# Altium PCB Minion_1_SiC780A_Rev01.PcbDoc (part 3 of 6)
Units mil, origin at the board's own origin, x right, y up, seen from the top; angles counter-clockwise.
Board outline 3937.01 x 3937.01 mil, 4 copper layers (L1, L2, L3, L4), stack 62.087 mil thick; 410 components, 107 nets, 1950 pads, 1997 vias.
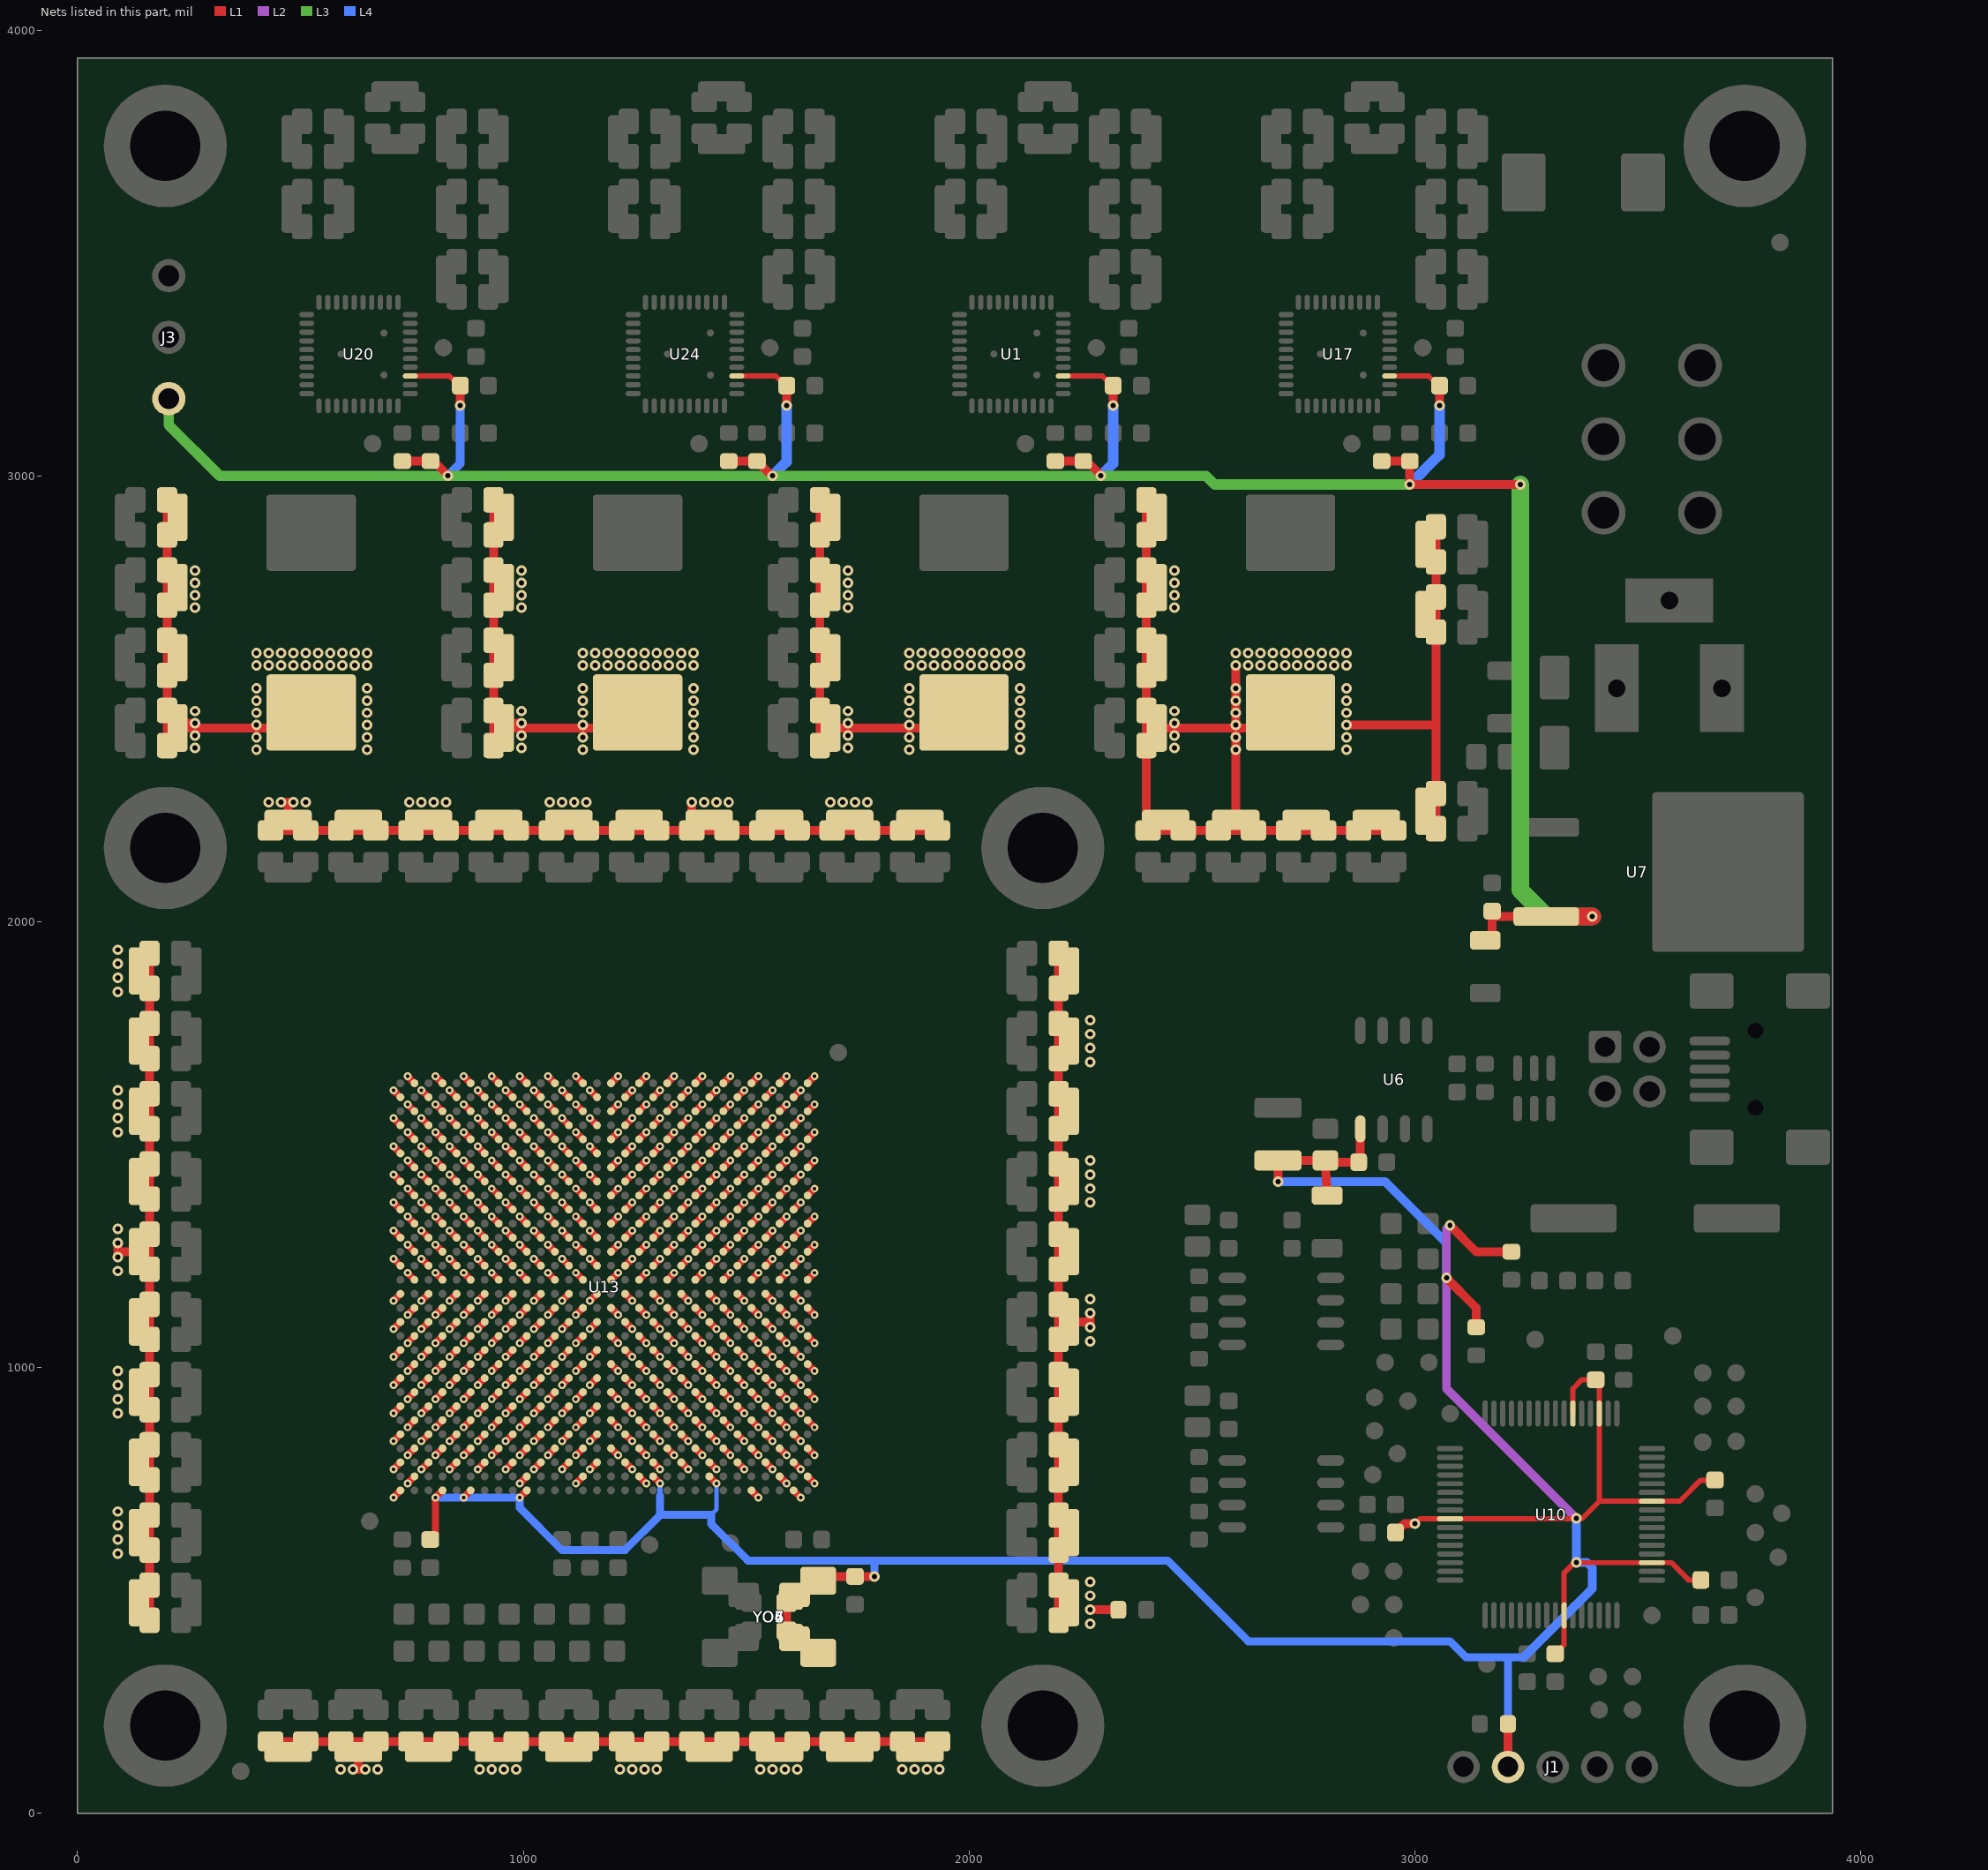
[diagram p5: the nets of this part, all layers, seen from the top]

## Via types
v1: diameter 23.62/23.62/23.62/23.62 (per signal layer), hole 11.81, L1 to L4, 1110 vias
v2: diameter 17.72/17.72/17.72/17.72 (per signal layer), hole 7.87, L1 to L4, 887 vias

## Nets (pads, with @x,y where several pads share a name; then routed paths per layer and width w, separated by ;. In a path a pad name is that pad's centre, name@x,y a point inside that pad or via, vN(x,y) a via of type N, cw(c..) or ccw(c..) an arc to the next point about the centre after c; other vN are vias at no path point) (continued)
1V: C4.2 C18.2 C19.2 C33.1 C34.2 C35.2 C36.2 C37.1 C38.1 C39.1 C40.1 C44.2 C45.2 C46.2 C48.2 C53.2 C55.2 C56.2 C57.2 C59.2 C60.2 C61.2 C62.2 C63.2 C64.2 C65.1 C66.1 C67.1 C72.2 C73.2 C74.2 C75.2 C76.2 C77.2 C78.2 C79.2 C80.2 C81.2 C82.2 C83.2 C84.2 C86.2 C87.2 C88.2 C90.2 C91.2 C94.2 C95.2 C103.2 C104.2 C105.2 C106.2 C107.2 C128.1 C129.2 C130.1 C131.1 C132.2 C135.2 C136.2 C137.2 C138.1 C139.1 C140.2 C141.1 C142.2 C143.2 C144.2 C145.2 C146.2 C147.2 C148.2 C149.2 C150.2 C151.2 C152.2 C153.2 C154.2 C155.2 C156.2 C157.2 C158.2 C159.2 C160.2 C161.2 C162.2 C163.2 C164.2 C165.2 C166.2 C167.2 C168.2 C169.2 C170.1 C171.2 C172.1 C173.1 C174.2 C175.1 C176.1 C177.2 C178.2 C179.2 C180.2 C181.2 C182.2 C183.2 C184.2 C185.2 C186.2 C187.1 C188.2 C189.2 C190.2 C191.2 C192.2 C193.2 C194.2 C195.2 C196.2 C197.1 C198.2 C199.1 C200.1 C201.2 C202.1 C203.1 C204.2 C205.1 C206.2 C207.2 C208.2 C209.2 C210.2 C211.2 C212.2 C213.2 C214.2 C215.2 C216.2 C217.2 C218.2 C219.2 C220.2 C221.2 C222.2 C223.2 C224.2 C225.2 C260.2 C261.2 C262.2 C263.1 C264.1 C265.1 C266.1 C267.2 C268.1 C269.1 C270.2 C271.1 C272.1 C273.2 C274.1 C275.1 C276.2 C331.1 C332.1 C333.1 C334.1 C375.2 C376.2 C377.2 C381.2 C382.2 C397.2 C398.2 C399.2 C400.2 C401.2 C652.1 C653.2 C654.1 C655.1 C656.2 C657.1 C658.1 C659.2 C660.1 L3.2 L7.2 L10.2 L14.2 R6.2 U13.A2 U13.A4 U13.A6 U13.A8 U13.A10 U13.A12 U13.A14 U13.A16 U13.A18 U13.A20 U13.A22 U13.A24 U13.A26 U13.A28 U13.A30 U13.AA2 U13.AA4 U13.AA6 U13.AA8 U13.AA10 U13.AA12 U13.AA14 U13.AA16 U13.AA18 U13.AA20 U13.AA22 U13.AA24 U13.AA26 U13.AA28 U13.AA30 U13.AB1 U13.AB3 U13.AB5 U13.AB7 U13.AB9 U13.AB11 U13.AB13 U13.AB15 U13.AB17 U13.AB19 U13.AB21 U13.AB23 U13.AB25 U13.AB27 U13.AB29 U13.AC2 U13.AC4 U13.AC6 U13.AC8 U13.AC10 U13.AC12 U13.AC14 U13.AC16 U13.AC18 U13.AC20 U13.AC22 U13.AC24 U13.AC26 U13.AC28 U13.AC30 U13.AD1 U13.AD3 U13.AD5 U13.AD7 U13.AD9 U13.AD11 U13.AD13 U13.AD15 U13.AD17 U13.AD19 U13.AD21 U13.AD23 U13.AD25 U13.AD27 U13.AD29 U13.AE2 U13.AE4 U13.AE6 U13.AE8 U13.AE10 U13.AE12 U13.AE14 U13.AE16 U13.AE18 U13.AE20 U13.AE22 U13.AE24 U13.AE26 U13.AE28 U13.AE30 U13.AF1 U13.AF3 U13.AF5 U13.AF7 U13.AF9 U13.AF11 U13.AF13 U13.AF15 U13.AF17 U13.AF19 U13.AF21 U13.AF23 U13.AF25 U13.AF27 U13.AF29 U13.AG2 U13.AG4 U13.AG6 U13.AG8 U13.AG10 U13.AG12 U13.AG14 U13.AG16 U13.AG18 U13.AG20 U13.AG22 U13.AG24 U13.AG26 U13.AG28 U13.AG30 U13.AH1 U13.AH3 U13.AH5 U13.AH7 U13.AH9 U13.AH11 U13.AH13 U13.AH15 U13.AH17 U13.AH19 U13.AH21 U13.AH23 U13.AH25 U13.AH27 U13.AH29 U13.AJ2 U13.AJ10 U13.AJ14 U13.AJ18 U13.AJ28 U13.AJ30 U13.AK1 U13.AK26 U13.AK29 U13.B1 U13.B3 U13.B5 U13.B7 U13.B9 U13.B11 U13.B13 U13.B15 U13.B17 U13.B19 U13.B21 U13.B23 U13.B25 U13.B27 U13.B29 U13.C2 U13.C4 U13.C6 U13.C8 U13.C10 U13.C12 U13.C14 U13.C16 U13.C18 U13.C20 U13.C22 U13.C24 U13.C26 U13.C28 U13.C30 U13.D1 U13.D3 U13.D5 U13.D7 U13.D9 U13.D11 U13.D13 U13.D15 U13.D17 U13.D19 U13.D21 U13.D23 U13.D25 U13.D27 U13.D29 U13.E2 U13.E4 U13.E6 U13.E8 U13.E10 U13.E12 U13.E14 U13.E16 U13.E18 U13.E20 U13.E22 U13.E24 U13.E26 U13.E28 U13.E30 U13.F1 U13.F3 U13.F5 U13.F7 U13.F9 U13.F11 U13.F13 U13.F15 U13.F17 U13.F19 U13.F21 U13.F23 U13.F25 U13.F27 U13.F29 U13.G2 U13.G4 U13.G6 U13.G8 U13.G10 U13.G12 U13.G14 U13.G16 U13.G18 U13.G20 U13.G22 U13.G24 U13.G26 U13.G28 U13.G30 U13.H1 U13.H3 U13.H5 U13.H7 U13.H9 U13.H11 U13.H13 U13.H15 U13.H17 U13.H19 U13.H21 U13.H23 U13.H25 U13.H27 U13.H29 U13.J2 U13.J4 U13.J6 U13.J8 U13.J10 U13.J12 U13.J14 U13.J16 U13.J18 U13.J20 U13.J22 U13.J24 U13.J26 U13.J28 U13.J30 U13.K1 U13.K3 U13.K5 U13.K7 U13.K9 U13.K11 U13.K13 U13.K15 U13.K17 U13.K19 U13.K21 U13.K23 U13.K25 U13.K27 U13.K29 U13.L2 U13.L4 U13.L6 U13.L8 U13.L10 U13.L12 U13.L14 U13.L16 U13.L18 U13.L20 U13.L22 U13.L24 U13.L26 U13.L28 U13.L30 U13.M1 U13.M3 U13.M5 U13.M7 U13.M9 U13.M11 U13.M13 U13.M15 U13.M17 U13.M19 U13.M21 U13.M23 U13.M25 U13.M27 U13.M29 U13.N2 U13.N4 U13.N6 U13.N8 U13.N10 U13.N12 U13.N14 U13.N16 U13.N18 U13.N20 U13.N22 U13.N24 U13.N26 U13.N28 U13.N30 U13.P1 U13.P3 U13.P5 U13.P7 U13.P9 U13.P11 U13.P13 U13.P15 U13.P17 U13.P19 U13.P21 U13.P23 U13.P25 U13.P27 U13.P29 U13.R2 U13.R4 U13.R6 U13.R8 U13.R10 U13.R12 U13.R14 U13.R16 U13.R18 U13.R20 U13.R22 U13.R24 U13.R26 U13.R28 U13.R30 U13.T1 U13.T3 U13.T5 U13.T7 U13.T9 U13.T11 U13.T13 U13.T15 U13.T17 U13.T19 U13.T21 U13.T23 U13.T25 U13.T27 U13.T29 U13.U2 U13.U4 U13.U6 U13.U8 U13.U10 U13.U12 U13.U14 U13.U16 U13.U18 U13.U20 U13.U22 U13.U24 U13.U26 U13.U28 U13.U30 U13.V1 U13.V3 U13.V5 U13.V7 U13.V9 U13.V11 U13.V13 U13.V15 U13.V17 U13.V19 U13.V21 U13.V23 U13.V25 U13.V27 U13.V29 U13.W2 U13.W4 U13.W6 U13.W8 U13.W10 U13.W12 U13.W14 U13.W16 U13.W18 U13.W20 U13.W22 U13.W24 U13.W26 U13.W28 U13.W30 U13.Y1 U13.Y3 U13.Y5 U13.Y7 U13.Y9 U13.Y11 U13.Y13 U13.Y15 U13.Y17 U13.Y19 U13.Y21 U13.Y23 U13.Y25 U13.Y27 U13.Y29 | length 23054.7
  L1 w15.75: v2(708.66,708.66) U13.AK1@724.41,724.41 ; v2(708.66,771.65) U13.AH1@724.41,787.4 ; v2(708.66,834.65) U13.AF1@724.41,850.39 ; v2(708.66,897.64) U13.AD1@724.41,913.39 ; v2(708.66,960.63) U13.AB1@724.41,976.38 ; v2(708.66,1023.62) U13.Y1@724.41,1039.37 ; v2(708.66,1086.61) U13.V1@724.41,1102.36 ; v2(708.66,1149.61) U13.T1@724.41,1165.35 ; v2(708.66,1244.09) U13.P1@724.41,1228.35 ; v2(708.66,1307.09) U13.M1@724.41,1291.34 ; v2(708.66,1370.08) U13.K1@724.41,1354.33 ; v2(708.66,1433.07) U13.H1@724.41,1417.32 ; v2(708.66,1496.06) U13.F1@724.41,1480.31 ; v2(708.66,1559.06) U13.D1@724.41,1543.31 ; v2(708.66,1622.05) U13.B1@724.41,1606.3 ; v2(740.16,740.16) U13.AJ2@755.91,755.91 ; v2(740.16,803.15) U13.AG2@755.91,818.9 ; v2(740.16,866.14) U13.AE2@755.91,881.89 ; v2(740.16,929.13) U13.AC2@755.91,944.88 ; v2(740.16,992.13) U13.AA2@755.91,1007.87 ; v2(740.16,1055.12) U13.W2@755.91,1070.87 ; v2(740.16,1118.11) U13.U2@755.91,1133.86 ; v2(740.16,1212.6) U13.R2@755.91,1196.85 ; v2(740.16,1275.59) U13.N2@755.91,1259.84 ; v2(740.16,1338.58) U13.L2@755.91,1322.83 ; v2(740.16,1401.57) U13.J2@755.91,1385.83 ; v2(740.16,1464.57) U13.G2@755.91,1448.82 ; v2(740.16,1527.56) U13.E2@755.91,1511.81 ; v2(740.16,1590.55) U13.C2@755.91,1574.8 ; v2(740.16,1653.54) U13.A2@755.91,1637.8 ; v2(771.65,771.65) U13.AH3@787.4,787.4 ; v2(771.65,834.65) U13.AF3@787.4,850.39 ; v2(771.65,897.64) U13.AD3@787.4,913.39 ; v2(771.65,960.63) U13.AB3@787.4,976.38 ; v2(771.65,1023.62) U13.Y3@787.4,1039.37 ; v2(771.65,1086.61) U13.V3@787.4,1102.36 ; v2(771.65,1149.61) U13.T3@787.4,1165.35 ; v2(771.65,1244.09) U13.P3@787.4,1228.35 ; v2(771.65,1307.09) U13.M3@787.4,1291.34 ; v2(771.65,1370.08) U13.K3@787.4,1354.33 ; v2(771.65,1433.07) U13.H3@787.4,1417.32 ; v2(771.65,1496.06) U13.F3@787.4,1480.31 ; v2(771.65,1559.06) U13.D3@787.4,1543.31 ; v2(771.65,1622.05) U13.B3@787.4,1606.3 ; v2(803.15,803.15) U13.AG4@818.9,818.9 ; v2(803.15,866.14) U13.AE4@818.9,881.89 ; v2(803.15,929.13) U13.AC4@818.9,944.88 ; v2(803.15,992.13) U13.AA4@818.9,1007.87 ; v2(803.15,1055.12) U13.W4@818.9,1070.87 ; v2(803.15,1118.11) U13.U4@818.9,1133.86 ; v2(803.15,1212.6) U13.R4@818.9,1196.85 ; v2(803.15,1275.59) U13.N4@818.9,1259.84 ; v2(803.15,1338.58) U13.L4@818.9,1322.83 ; v2(803.15,1401.57) U13.J4@818.9,1385.83 ; v2(803.15,1464.57) U13.G4@818.9,1448.82 ; v2(803.15,1527.56) U13.E4@818.9,1511.81 ; v2(803.15,1590.55) U13.C4@818.9,1574.8 ; v2(803.15,1653.54) U13.A4@818.9,1637.8 ; v2(834.65,771.65) U13.AH5@850.39,787.4 ; v2(834.65,834.65) U13.AF5@850.39,850.39 ; v2(834.65,897.64) U13.AD5@850.39,913.39 ; v2(834.65,960.63) U13.AB5@850.39,976.38 ; v2(834.65,1023.62) U13.Y5@850.39,1039.37 ; v2(834.65,1086.61) U13.V5@850.39,1102.36 ; v2(834.65,1149.61) U13.T5@850.39,1165.35 ; v2(834.65,1244.09) U13.P5@850.39,1228.35 ; v2(834.65,1307.09) U13.M5@850.39,1291.34 ; v2(834.65,1370.08) U13.K5@850.39,1354.33 ; v2(834.65,1433.07) U13.H5@850.39,1417.32 ; v2(834.65,1496.06) U13.F5@850.39,1480.31 ; v2(834.65,1559.06) U13.D5@850.39,1543.31 ; v2(834.65,1622.05) U13.B5@850.39,1606.3 ; v2(866.14,803.15) U13.AG6@881.89,818.9 ; v2(866.14,866.14) U13.AE6@881.89,881.89 ; v2(866.14,929.13) U13.AC6@881.89,944.88 ; v2(866.14,992.13) U13.AA6@881.89,1007.87 ; v2(866.14,1055.12) U13.W6@881.89,1070.87 ; v2(866.14,1118.11) U13.U6@881.89,1133.86 ; v2(866.14,1212.6) U13.R6@881.89,1196.85 ; v2(866.14,1275.59) U13.N6@881.89,1259.84 ; v2(866.14,1338.58) U13.L6@881.89,1322.83 ; v2(866.14,1401.57) U13.J6@881.89,1385.83 ; v2(866.14,1464.57) U13.G6@881.89,1448.82 ; v2(866.14,1527.56) U13.E6@881.89,1511.81 ; v2(866.14,1590.55) U13.C6@881.89,1574.8 ; v2(866.14,1653.54) U13.A6@881.89,1637.8 ; v2(897.64,771.65) U13.AH7@913.39,787.4 ; v2(897.64,834.65) U13.AF7@913.39,850.39 ; v2(897.64,897.64) U13.AD7@913.39,913.39 ; v2(897.64,960.63) U13.AB7@913.39,976.38 ; v2(897.64,1023.62) U13.Y7@913.39,1039.37 ; v2(897.64,1086.61) U13.V7@913.39,1102.36 ; v2(897.64,1149.61) U13.T7@913.39,1165.35 ; v2(897.64,1244.09) U13.P7@913.39,1228.35 ; v2(897.64,1307.09) U13.M7@913.39,1291.34 ; v2(897.64,1370.08) U13.K7@913.39,1354.33 ; v2(897.64,1433.07) U13.H7@913.39,1417.32 ; v2(897.64,1496.06) U13.F7@913.39,1480.31 ; v2(897.64,1559.06) U13.D7@913.39,1543.31 ; v2(897.64,1622.05) U13.B7@913.39,1606.3 ; v2(929.13,803.15) U13.AG8@944.88,818.9 ; v2(929.13,866.14) U13.AE8@944.88,881.89 ; v2(929.13,929.13) U13.AC8@944.88,944.88 ; v2(929.13,992.13) U13.AA8@944.88,1007.87 ; v2(929.13,1055.12) U13.W8@944.88,1070.87 ; v2(929.13,1118.11) U13.U8@944.88,1133.86 ; v2(929.13,1212.6) U13.R8@944.88,1196.85 ; v2(929.13,1275.59) U13.N8@944.88,1259.84 ; v2(929.13,1338.58) U13.L8@944.88,1322.83 ; v2(929.13,1401.57) U13.J8@944.88,1385.83 ; v2(929.13,1464.57) U13.G8@944.88,1448.82 ; v2(929.13,1527.56) U13.E8@944.88,1511.81 ; v2(929.13,1590.55) U13.C8@944.88,1574.8 ; v2(929.13,1653.54) U13.A8@944.88,1637.8 ; v2(960.63,771.65) U13.AH9@976.38,787.4 ; v2(960.63,834.65) U13.AF9@976.38,850.39 ; v2(960.63,897.64) U13.AD9@976.38,913.39 ; v2(960.63,960.63) U13.AB9@976.38,976.38 ; v2(960.63,1023.62) U13.Y9@976.38,1039.37 ; v2(960.63,1086.61) U13.V9@976.38,1102.36 ; v2(960.63,1149.61) U13.T9@976.38,1165.35 ; v2(960.63,1244.09) U13.P9@976.38,1228.35 ; v2(960.63,1307.09) U13.M9@976.38,1291.34 ; v2(960.63,1370.08) U13.K9@976.38,1354.33 ; v2(960.63,1433.07) U13.H9@976.38,1417.32 ; v2(960.63,1496.06) U13.F9@976.38,1480.31 ; v2(960.63,1559.06) U13.D9@976.38,1543.31 ; v2(960.63,1622.05) U13.B9@976.38,1606.3 ; v2(992.13,740.16) U13.AJ10@1007.87,755.91 ; v2(992.13,803.15) U13.AG10@1007.87,818.9 ; v2(992.13,866.14) U13.AE10@1007.87,881.89 ; v2(992.13,929.13) U13.AC10@1007.87,944.88 ; v2(992.13,992.13) U13.AA10@1007.87,1007.87 ; v2(992.13,1055.12) U13.W10@1007.87,1070.87 ; v2(992.13,1118.11) U13.U10@1007.87,1133.86 ; v2(992.13,1212.6) U13.R10@1007.87,1196.85 ; v2(992.13,1275.59) U13.N10@1007.87,1259.84 ; v2(992.13,1338.58) U13.L10@1007.87,1322.83 ; v2(992.13,1401.57) U13.J10@1007.87,1385.83 ; v2(992.13,1464.57) U13.G10@1007.87,1448.82 ; v2(992.13,1527.56) U13.E10@1007.87,1511.81 ; v2(992.13,1590.55) U13.C10@1007.87,1574.8 ; v2(992.13,1653.54) U13.A10@1007.87,1637.8 ; v2(1023.62,771.65) U13.AH11@1039.37,787.4 ; v2(1023.62,834.65) U13.AF11@1039.37,850.39 ; v2(1023.62,897.64) U13.AD11@1039.37,913.39 ; v2(1023.62,960.63) U13.AB11@1039.37,976.38 ; v2(1023.62,1023.62) U13.Y11@1039.37,1039.37 ; v2(1023.62,1086.61) U13.V11@1039.37,1102.36 ; v2(1023.62,1149.61) U13.T11@1039.37,1165.35 ; v2(1023.62,1244.09) U13.P11@1039.37,1228.35 ; v2(1023.62,1307.09) U13.M11@1039.37,1291.34 ; v2(1023.62,1370.08) U13.K11@1039.37,1354.33 ; v2(1023.62,1433.07) U13.H11@1039.37,1417.32 ; v2(1023.62,1496.06) U13.F11@1039.37,1480.31 ; v2(1023.62,1559.06) U13.D11@1039.37,1543.31 ; v2(1023.62,1622.05) U13.B11@1039.37,1606.3 ; v2(1055.12,803.15) U13.AG12@1070.87,818.9 ; v2(1055.12,866.14) U13.AE12@1070.87,881.89 ; v2(1055.12,929.13) U13.AC12@1070.87,944.88 ; v2(1055.12,992.13) U13.AA12@1070.87,1007.87 ; v2(1055.12,1055.12) U13.W12@1070.87,1070.87 ; v2(1055.12,1118.11) U13.U12@1070.87,1133.86 ; v2(1055.12,1212.6) U13.R12@1070.87,1196.85 ; v2(1055.12,1275.59) U13.N12@1070.87,1259.84 ; v2(1055.12,1338.58) U13.L12@1070.87,1322.83 ; v2(1055.12,1401.57) U13.J12@1070.87,1385.83 ; v2(1055.12,1464.57) U13.G12@1070.87,1448.82 ; v2(1055.12,1527.56) U13.E12@1070.87,1511.81 ; v2(1055.12,1590.55) U13.C12@1070.87,1574.8 ; v2(1055.12,1653.54) U13.A12@1070.87,1637.8 ; v2(1086.61,771.65) U13.AH13@1102.36,787.4 ; v2(1086.61,834.65) U13.AF13@1102.36,850.39 ; v2(1086.61,897.64) U13.AD13@1102.36,913.39 ; v2(1086.61,960.63) U13.AB13@1102.36,976.38 ; v2(1086.61,1023.62) U13.Y13@1102.36,1039.37 ; v2(1086.61,1086.61) U13.V13@1102.36,1102.36 ; v2(1086.61,1149.61) U13.T13@1102.36,1165.35 ; v2(1086.61,1244.09) U13.P13@1102.36,1228.35 ; v2(1086.61,1307.09) U13.M13@1102.36,1291.34 ; v2(1086.61,1370.08) U13.K13@1102.36,1354.33 ; v2(1086.61,1433.07) U13.H13@1102.36,1417.32 ; v2(1086.61,1496.06) U13.F13@1102.36,1480.31 ; v2(1086.61,1559.06) U13.D13@1102.36,1543.31 ; v2(1086.61,1622.05) U13.B13@1102.36,1606.3 ; v2(1118.11,740.16) U13.AJ14@1133.86,755.91 ; v2(1118.11,803.15) U13.AG14@1133.86,818.9 ; v2(1118.11,866.14) U13.AE14@1133.86,881.89 ; v2(1118.11,929.13) U13.AC14@1133.86,944.88 ; v2(1118.11,992.13) U13.AA14@1133.86,1007.87 ; v2(1118.11,1055.12) U13.W14@1133.86,1070.87 ; v2(1118.11,1118.11) U13.U14@1133.86,1133.86 ; v2(1118.11,1212.6) U13.R14@1133.86,1196.85 ; v2(1118.11,1275.59) U13.N14@1133.86,1259.84 ; v2(1118.11,1338.58) U13.L14@1133.86,1322.83 ; v2(1118.11,1401.57) U13.J14@1133.86,1385.83 ; v2(1118.11,1464.57) U13.G14@1133.86,1448.82 ; v2(1118.11,1527.56) U13.E14@1133.86,1511.81 ; v2(1118.11,1590.55) U13.C14@1133.86,1574.8 ; v2(1118.11,1653.54) U13.A14@1133.86,1637.8 ; v2(1149.61,771.65) U13.AH15@1165.35,787.4 ; v2(1149.61,834.65) U13.AF15@1165.35,850.39 ; v2(1149.61,897.64) U13.AD15@1165.35,913.39 ; v2(1149.61,960.63) U13.AB15@1165.35,976.38 ; v2(1149.61,1023.62) U13.Y15@1165.35,1039.37 ; v2(1149.61,1086.61) U13.V15@1165.35,1102.36 ; v2(1149.61,1149.61) U13.T15@1165.35,1165.35 ; v2(1149.61,1244.09) U13.P15@1165.35,1228.35 ; v2(1149.61,1307.09) U13.M15@1165.35,1291.34 ; v2(1149.61,1370.08) U13.K15@1165.35,1354.33 ; v2(1149.61,1433.07) U13.H15@1165.35,1417.32 ; v2(1149.61,1496.06) U13.F15@1165.35,1480.31 ; v2(1149.61,1559.06) U13.D15@1165.35,1543.31 ; v2(1149.61,1622.05) U13.B15@1165.35,1606.3 ; U13.AG16@1196.85,818.9 v2(1212.6,803.15) ; U13.AE16@1196.85,881.89 v2(1212.6,866.14) ; U13.AC16@1196.85,944.88 v2(1212.6,929.13) ; U13.AA16@1196.85,1007.87 v2(1212.6,992.13) ; U13.W16@1196.85,1070.87 v2(1212.6,1055.12) ; U13.U16@1196.85,1133.86 v2(1212.6,1118.11) ; U13.R16@1196.85,1196.85 v2(1212.6,1212.6) ; U13.N16@1196.85,1259.84 v2(1212.6,1275.59) ; U13.L16@1196.85,1322.83 v2(1212.6,1338.58) ; U13.J16@1196.85,1385.83 v2(1212.6,1401.57) ; U13.G16@1196.85,1448.82 v2(1212.6,1464.57) ; U13.E16@1196.85,1511.81 v2(1212.6,1527.56) ; U13.C16@1196.85,1574.8 v2(1212.6,1590.55) ; U13.A16@1196.85,1637.8 v2(1212.6,1653.54) ; U13.AH17@1228.35,787.4 v2(1244.09,771.65) ; U13.AF17@1228.35,850.39 v2(1244.09,834.65) ; U13.AD17@1228.35,913.39 v2(1244.09,897.64) ; U13.AB17@1228.35,976.38 v2(1244.09,960.63) ; U13.Y17@1228.35,1039.37 v2(1244.09,1023.62) ; U13.V17@1228.35,1102.36 v2(1244.09,1086.61) ; U13.T17@1228.35,1165.35 v2(1244.09,1149.61) ; U13.P17@1228.35,1228.35 v2(1244.09,1244.09) ; U13.M17@1228.35,1291.34 v2(1244.09,1307.09) ; U13.K17@1228.35,1354.33 v2(1244.09,1370.08) ; U13.H17@1228.35,1417.32 v2(1244.09,1433.07) ; U13.F17@1228.35,1480.31 v2(1244.09,1496.06) ; U13.D17@1228.35,1543.31 v2(1244.09,1559.06) ; U13.B17@1228.35,1606.3 v2(1244.09,1622.05) ; U13.AJ18@1259.84,755.91 v2(1275.59,740.16) ; U13.AG18@1259.84,818.9 v2(1275.59,803.15) ; U13.AE18@1259.84,881.89 v2(1275.59,866.14) ; U13.AC18@1259.84,944.88 v2(1275.59,929.13) ; U13.AA18@1259.84,1007.87 v2(1275.59,992.13) ; U13.W18@1259.84,1070.87 v2(1275.59,1055.12) ; U13.U18@1259.84,1133.86 v2(1275.59,1118.11) ; U13.R18@1259.84,1196.85 v2(1275.59,1212.6) ; U13.N18@1259.84,1259.84 v2(1275.59,1275.59) ; U13.L18@1259.84,1322.83 v2(1275.59,1338.58) ; U13.J18@1259.84,1385.83 v2(1275.59,1401.57) ; U13.G18@1259.84,1448.82 v2(1275.59,1464.57) ; U13.E18@1259.84,1511.81 v2(1275.59,1527.56) ; U13.C18@1259.84,1574.8 v2(1275.59,1590.55) ; U13.A18@1259.84,1637.8 v2(1275.59,1653.54) ; U13.AH19@1291.34,787.4 v2(1307.09,771.65) ; U13.AF19@1291.34,850.39 v2(1307.09,834.65) ; U13.AD19@1291.34,913.39 v2(1307.09,897.64) ; U13.AB19@1291.34,976.38 v2(1307.09,960.63) ; U13.Y19@1291.34,1039.37 v2(1307.09,1023.62) ; U13.V19@1291.34,1102.36 v2(1307.09,1086.61) ; U13.T19@1291.34,1165.35 v2(1307.09,1149.61) ; U13.P19@1291.34,1228.35 v2(1307.09,1244.09) ; U13.M19@1291.34,1291.34 v2(1307.09,1307.09) ; U13.K19@1291.34,1354.33 v2(1307.09,1370.08) ; U13.H19@1291.34,1417.32 v2(1307.09,1433.07) ; U13.F19@1291.34,1480.31 v2(1307.09,1496.06) ; U13.D19@1291.34,1543.31 v2(1307.09,1559.06) ; U13.B19@1291.34,1606.3 v2(1307.09,1622.05) ; U13.AG20@1322.83,818.9 v2(1338.58,803.15) ; U13.AE20@1322.83,881.89 v2(1338.58,866.14) ; U13.AC20@1322.83,944.88 v2(1338.58,929.13) ; U13.AA20@1322.83,1007.87 v2(1338.58,992.13) ; U13.W20@1322.83,1070.87 v2(1338.58,1055.12) ; U13.U20@1322.83,1133.86 v2(1338.58,1118.11) ; U13.R20@1322.83,1196.85 v2(1338.58,1212.6) ; U13.N20@1322.83,1259.84 v2(1338.58,1275.59) ; U13.L20@1322.83,1322.83 v2(1338.58,1338.58) ; U13.J20@1322.83,1385.83 v2(1338.58,1401.57) ; U13.G20@1322.83,1448.82 v2(1338.58,1464.57) ; U13.E20@1322.83,1511.81 v2(1338.58,1527.56) ; U13.C20@1322.83,1574.8 v2(1338.58,1590.55) ; U13.A20@1322.83,1637.8 v2(1338.58,1653.54) ; U13.AH21@1354.33,787.4 v2(1370.08,771.65) ; U13.AF21@1354.33,850.39 v2(1370.08,834.65) ; U13.AD21@1354.33,913.39 v2(1370.08,897.64) ; U13.AB21@1354.33,976.38 v2(1370.08,960.63) ; U13.Y21@1354.33,1039.37 v2(1370.08,1023.62) ; U13.V21@1354.33,1102.36 v2(1370.08,1086.61) ; U13.T21@1354.33,1165.35 v2(1370.08,1149.61) ; U13.P21@1354.33,1228.35 v2(1370.08,1244.09) ; U13.M21@1354.33,1291.34 v2(1370.08,1307.09) ; U13.K21@1354.33,1354.33 v2(1370.08,1370.08) ; U13.H21@1354.33,1417.32 v2(1370.08,1433.07) ; U13.F21@1354.33,1480.31 v2(1370.08,1496.06) ; U13.D21@1354.33,1543.31 v2(1370.08,1559.06) ; U13.B21@1354.33,1606.3 v2(1370.08,1622.05) ; U13.AG22@1385.83,818.9 v2(1401.57,803.15) ; U13.AE22@1385.83,881.89 v2(1401.57,866.14) ; U13.AC22@1385.83,944.88 v2(1401.57,929.13) ; U13.AA22@1385.83,1007.87 v2(1401.57,992.13) ; U13.W22@1385.83,1070.87 v2(1401.57,1055.12) ; U13.U22@1385.83,1133.86 v2(1401.57,1118.11) ; U13.R22@1385.83,1196.85 v2(1401.57,1212.6) ; U13.N22@1385.83,1259.84 v2(1401.57,1275.59) ; U13.L22@1385.83,1322.83 v2(1401.57,1338.58) ; U13.J22@1385.83,1385.83 v2(1401.57,1401.57) ; U13.G22@1385.83,1448.82 v2(1401.57,1464.57) ; U13.E22@1385.83,1511.81 v2(1401.57,1527.56) ; U13.C22@1385.83,1574.8 v2(1401.57,1590.55) ; U13.A22@1385.83,1637.8 v2(1401.57,1653.54) ; U13.AH23@1417.32,787.4 v2(1433.07,771.65) ; U13.AF23@1417.32,850.39 v2(1433.07,834.65) ; U13.AD23@1417.32,913.39 v2(1433.07,897.64) ; U13.AB23@1417.32,976.38 v2(1433.07,960.63) ; U13.Y23@1417.32,1039.37 v2(1433.07,1023.62) ; U13.V23@1417.32,1102.36 v2(1433.07,1086.61) ; U13.T23@1417.32,1165.35 v2(1433.07,1149.61) ; U13.P23@1417.32,1228.35 v2(1433.07,1244.09) ; U13.M23@1417.32,1291.34 v2(1433.07,1307.09) ; U13.K23@1417.32,1354.33 v2(1433.07,1370.08) ; U13.H23@1417.32,1417.32 v2(1433.07,1433.07) ; U13.F23@1417.32,1480.31 v2(1433.07,1496.06) ; U13.D23@1417.32,1543.31 v2(1433.07,1559.06) ; U13.B23@1417.32,1606.3 v2(1433.07,1622.05) ; U13.AG24@1448.82,818.9 v2(1464.57,803.15) ; U13.AE24@1448.82,881.89 v2(1464.57,866.14) ; U13.AC24@1448.82,944.88 v2(1464.57,929.13) ; U13.AA24@1448.82,1007.87 v2(1464.57,992.13) ; U13.W24@1448.82,1070.87 v2(1464.57,1055.12) ; U13.U24@1448.82,1133.86 v2(1464.57,1118.11) ; U13.R24@1448.82,1196.85 v2(1464.57,1212.6) ; U13.N24@1448.82,1259.84 v2(1464.57,1275.59) ; U13.L24@1448.82,1322.83 v2(1464.57,1338.58) ; U13.J24@1448.82,1385.83 v2(1464.57,1401.57) ; U13.G24@1448.82,1448.82 v2(1464.57,1464.57) ; U13.E24@1448.82,1511.81 v2(1464.57,1527.56) ; U13.C24@1448.82,1574.8 v2(1464.57,1590.55) ; U13.A24@1448.82,1637.8 v2(1464.57,1653.54) ; U13.AH25@1480.31,787.4 v2(1496.06,771.65) ; U13.AF25@1480.31,850.39 v2(1496.06,834.65) ; U13.AD25@1480.31,913.39 v2(1496.06,897.64) ; U13.AB25@1480.31,976.38 v2(1496.06,960.63) ; U13.Y25@1480.31,1039.37 v2(1496.06,1023.62) ; U13.V25@1480.31,1102.36 v2(1496.06,1086.61) ; U13.T25@1480.31,1165.35 v2(1496.06,1149.61) ; U13.P25@1480.31,1228.35 v2(1496.06,1244.09) ; U13.M25@1480.31,1291.34 v2(1496.06,1307.09) ; U13.K25@1480.31,1354.33 v2(1496.06,1370.08) ; U13.H25@1480.31,1417.32 v2(1496.06,1433.07) ; U13.F25@1480.31,1480.31 v2(1496.06,1496.06) ; U13.D25@1480.31,1543.31 v2(1496.06,1559.06) ; U13.B25@1480.31,1606.3 v2(1496.06,1622.05) ; U13.AK26@1511.81,724.41 v2(1527.56,708.66) ; U13.AG26@1511.81,818.9 v2(1527.56,803.15) ; U13.AE26@1511.81,881.89 v2(1527.56,866.14) ; U13.AC26@1511.81,944.88 v2(1527.56,929.13) ; U13.AA26@1511.81,1007.87 v2(1527.56,992.13) ; U13.W26@1511.81,1070.87 v2(1527.56,1055.12) ; U13.U26@1511.81,1133.86 v2(1527.56,1118.11) ; U13.R26@1511.81,1196.85 v2(1527.56,1212.6) ; U13.N26@1511.81,1259.84 v2(1527.56,1275.59) ; U13.L26@1511.81,1322.83 v2(1527.56,1338.58) ; U13.J26@1511.81,1385.83 v2(1527.56,1401.57) ; U13.G26@1511.81,1448.82 v2(1527.56,1464.57) ; U13.E26@1511.81,1511.81 v2(1527.56,1527.56) ; U13.C26@1511.81,1574.8 v2(1527.56,1590.55) ; U13.A26@1511.81,1637.8 v2(1527.56,1653.54) ; U13.AH27@1543.31,787.4 v2(1559.06,771.65) ; U13.AF27@1543.31,850.39 v2(1559.06,834.65) ; U13.AD27@1543.31,913.39 v2(1559.06,897.64) ; U13.AB27@1543.31,976.38 v2(1559.06,960.63) ; U13.Y27@1543.31,1039.37 v2(1559.06,1023.62) ; U13.V27@1543.31,1102.36 v2(1559.06,1086.61) ; U13.T27@1543.31,1165.35 v2(1559.06,1149.61) ; U13.P27@1543.31,1228.35 v2(1559.06,1244.09) ; U13.M27@1543.31,1291.34 v2(1559.06,1307.09) ; U13.K27@1543.31,1354.33 v2(1559.06,1370.08) ; U13.H27@1543.31,1417.32 v2(1559.06,1433.07) ; U13.F27@1543.31,1480.31 v2(1559.06,1496.06) ; U13.D27@1543.31,1543.31 v2(1559.06,1559.06) ; U13.B27@1543.31,1606.3 v2(1559.06,1622.05) ; U13.AJ28@1574.8,755.91 v2(1590.55,740.16) ; U13.AG28@1574.8,818.9 v2(1590.55,803.15) ; U13.AE28@1574.8,881.89 v2(1590.55,866.14) ; U13.AC28@1574.8,944.88 v2(1590.55,929.13) ; U13.AA28@1574.8,1007.87 v2(1590.55,992.13) ; U13.W28@1574.8,1070.87 v2(1590.55,1055.12) ; U13.U28@1574.8,1133.86 v2(1590.55,1118.11) ; U13.R28@1574.8,1196.85 v2(1590.55,1212.6) ; U13.N28@1574.8,1259.84 v2(1590.55,1275.59) ; U13.L28@1574.8,1322.83 v2(1590.55,1338.58) ; U13.J28@1574.8,1385.83 v2(1590.55,1401.57) ; U13.G28@1574.8,1448.82 v2(1590.55,1464.57) ; U13.E28@1574.8,1511.81 v2(1590.55,1527.56) ; U13.C28@1574.8,1574.8 v2(1590.55,1590.55) ; U13.A28@1574.8,1637.8 v2(1590.55,1653.54) ; U13.AK29@1606.3,724.41 v2(1622.05,708.66) ; U13.AH29@1606.3,787.4 v2(1622.05,771.65) ; U13.AF29@1606.3,850.39 v2(1622.05,834.65) ; U13.AD29@1606.3,913.39 v2(1622.05,897.64) ; U13.AB29@1606.3,976.38 v2(1622.05,960.63) ; U13.Y29@1606.3,1039.37 v2(1622.05,1023.62) ; U13.V29@1606.3,1102.36 v2(1622.05,1086.61) ; U13.T29@1606.3,1165.35 v2(1622.05,1149.61) ; U13.P29@1606.3,1228.35 v2(1622.05,1244.09) ; U13.M29@1606.3,1291.34 v2(1622.05,1307.09) ; U13.K29@1606.3,1354.33 v2(1622.05,1370.08) ; U13.H29@1606.3,1417.32 v2(1622.05,1433.07) ; U13.F29@1606.3,1480.31 v2(1622.05,1496.06) ; U13.D29@1606.3,1543.31 v2(1622.05,1559.06) ; U13.B29@1606.3,1606.3 v2(1622.05,1622.05) ; U13.AJ30@1637.8,755.91 v2(1653.54,740.16) ; U13.AG30@1637.8,818.9 v2(1653.54,803.15) ; U13.AE30@1637.8,881.89 v2(1653.54,866.14) ; U13.AC30@1637.8,944.88 v2(1653.54,929.13) ; U13.AA30@1637.8,1007.87 v2(1653.54,992.13) ; U13.W30@1637.8,1070.87 v2(1653.54,1055.12) ; U13.U30@1637.8,1133.86 v2(1653.54,1118.11) ; U13.R30@1637.8,1196.85 v2(1653.54,1212.6) ; U13.N30@1637.8,1259.84 v2(1653.54,1275.59) ; U13.L30@1637.8,1322.83 v2(1653.54,1338.58) ; U13.J30@1637.8,1385.83 v2(1653.54,1401.57) ; U13.G30@1637.8,1448.82 v2(1653.54,1464.57) ; U13.E30@1637.8,1511.81 v2(1653.54,1527.56) ; U13.C30@1637.8,1574.8 v2(1653.54,1590.55) ; U13.A30@1637.8,1637.8 v2(1653.54,1653.54)